# Altium PCB EVB-ANNA-B5x1_Certifi.PcbDoc (part 2 of 6) (continued)
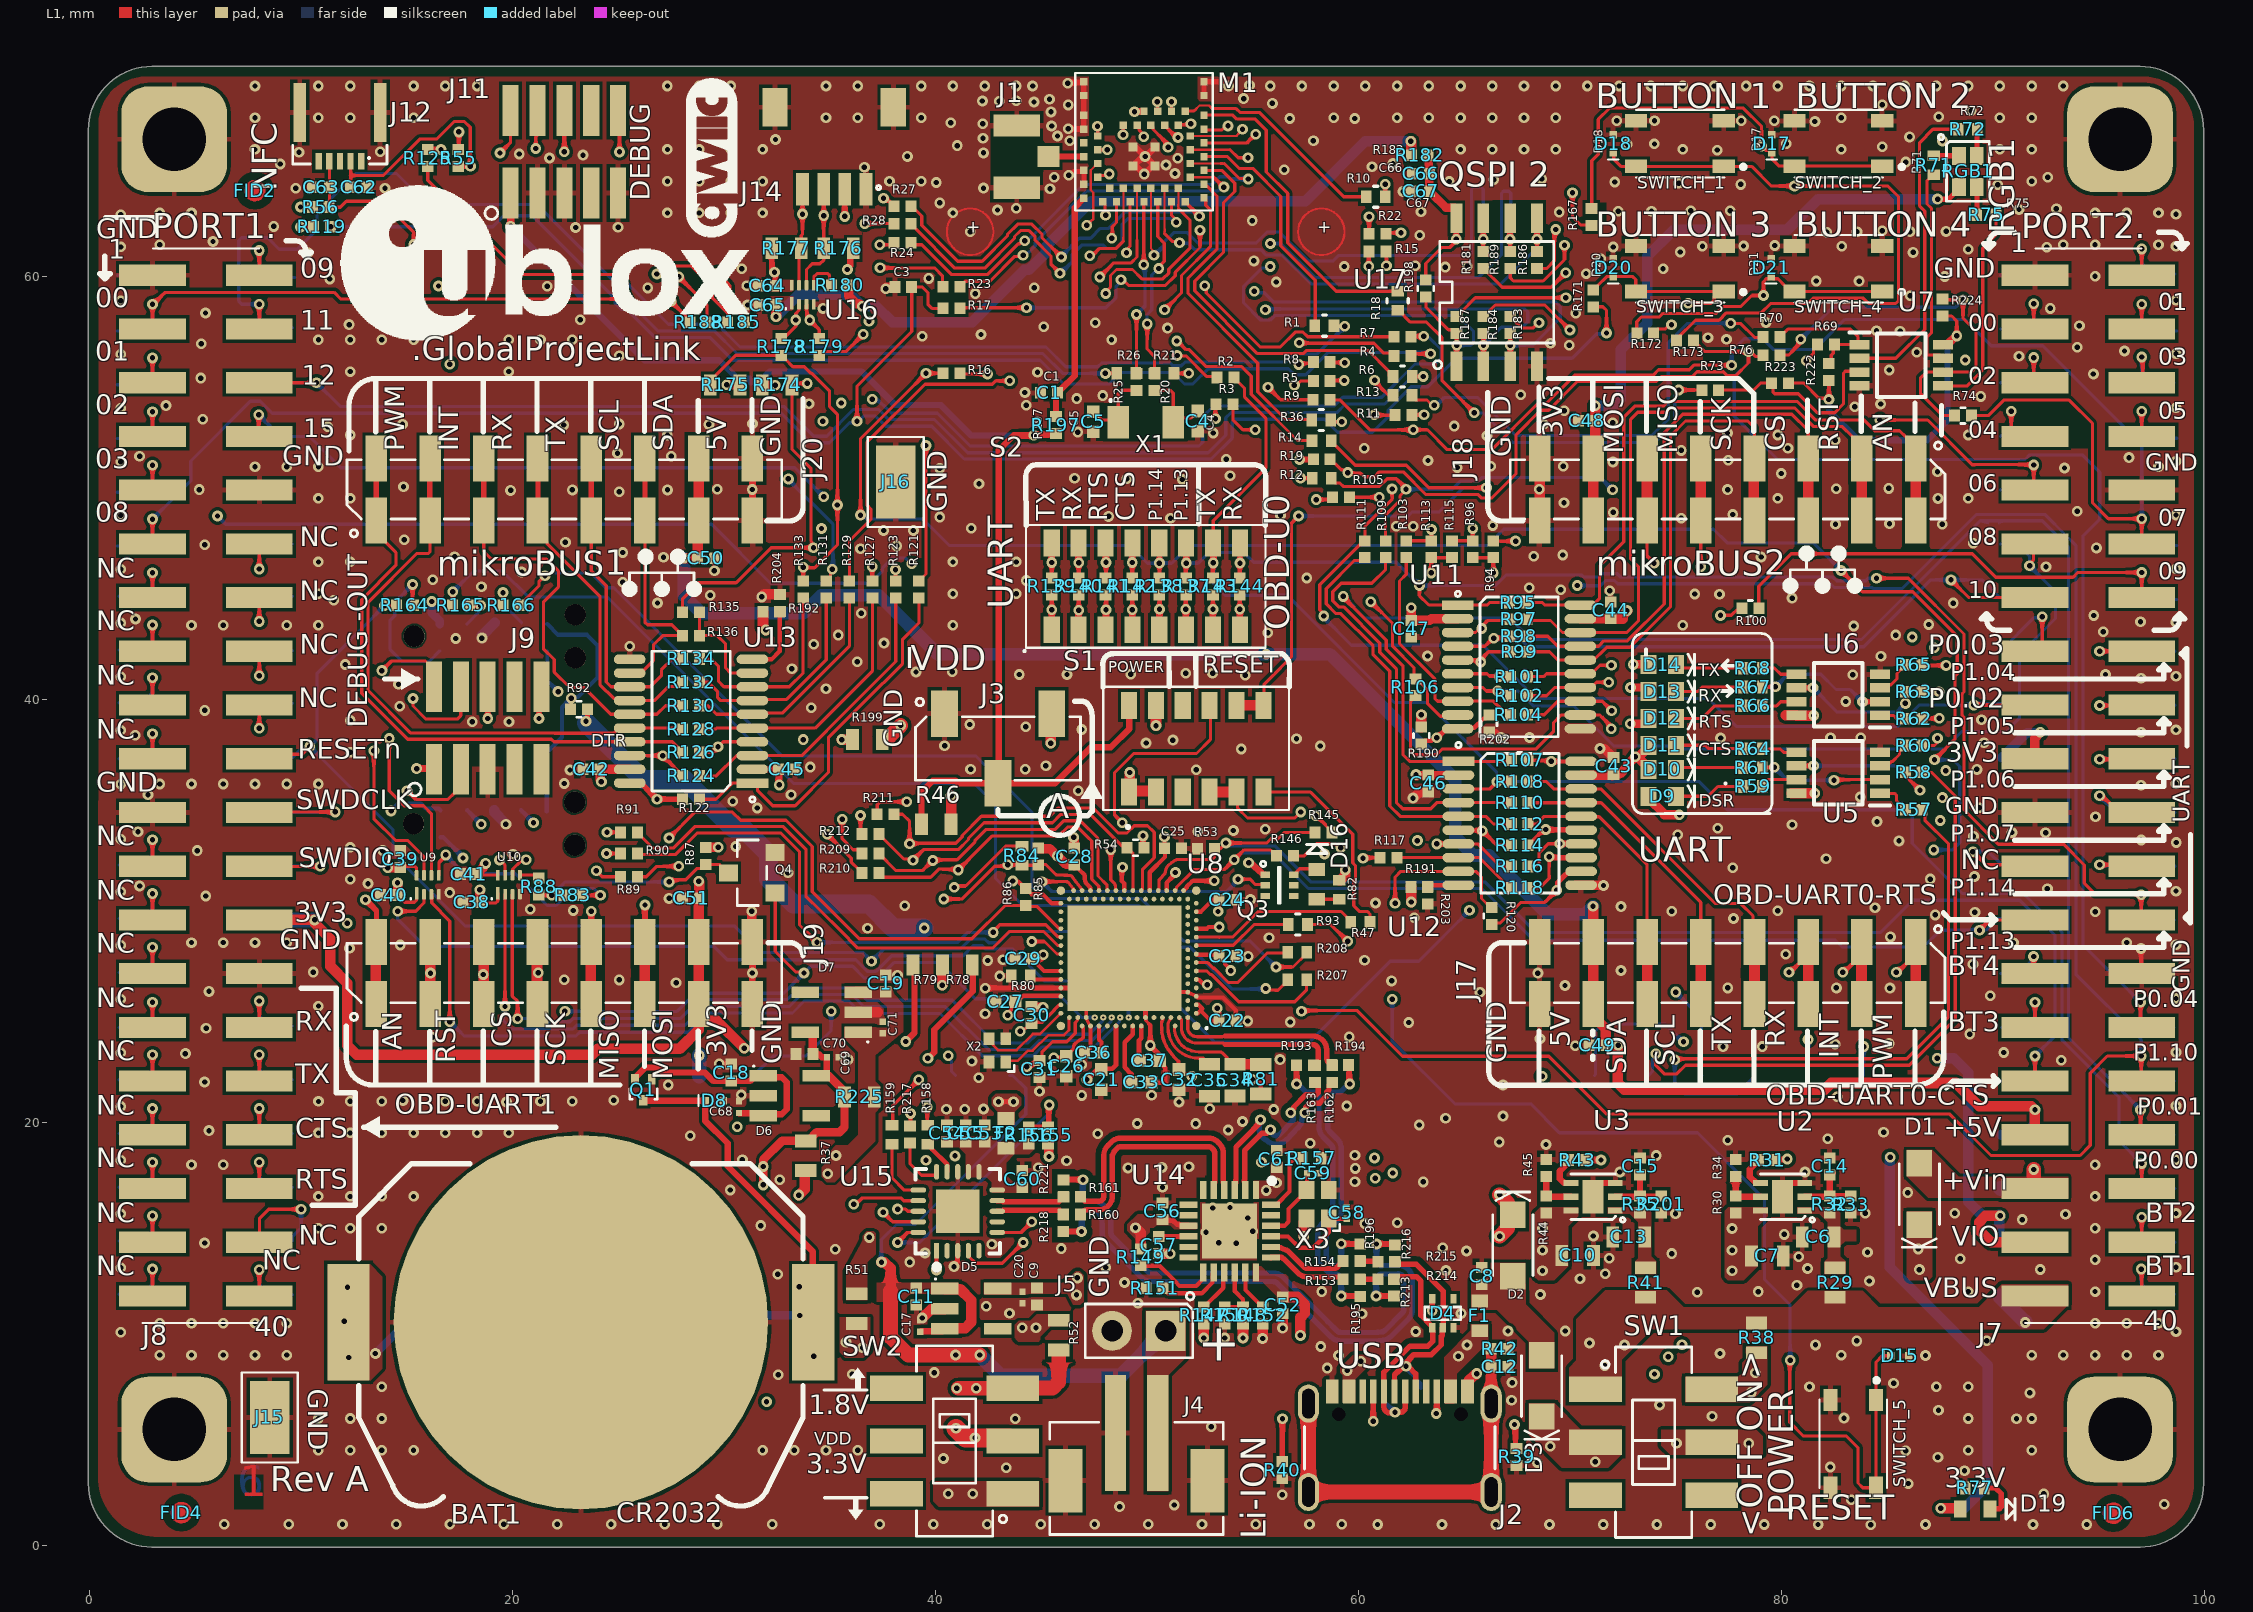
[diagram p0: L1 view]
## Footprints (in the part's own frame and the unit in brackets; to place one, negate y for a bottom-side part, rotate by r counter-clockwise, add the part's x,y. Pads: shape width x height; smd on the part's side, far side on the other; paste and mask are expansions set on the pad) (continued)
  silkscreen extent -3.02,-3.3 1.85,3.58, body extent -3.2,-3.3 3.2,3.3, height 1.2
U.FL_3Pin [mm] "U.FL Coax Jack, 50 ohm, 3 Pins, 3mm x 3.1mm"
  rect 1x1.05 smd: 1(0,-1.5)
  rect 1.05x2.2 smd: 2(-1.475,0) 2(1.475,0)
  body extent -1.5,-1.55 1.5,1.55, height 1.24
USB4105-GF-A [mm] "USB-C (USB TYPE-C) USB 2.0 Receptacle Connector 24 (16+8 Dummy) Position Surface Mount, Right Angle; Through Hole"
  rrect10% 0.6x1.15 smd paste+0 mask+0.05: A1B12(-3.2,4.755) A4B9(-2.4,4.755) B1A12(3.2,4.755) B4A9(2.4,4.755)
  rrect10% 0.3x1.15 smd paste+0 mask+0.05: A5(-1.25,4.755) A6(-0.25,4.755) A7(0.25,4.755) A8(1.25,4.755) B5(1.75,4.755) B6(0.75,4.755) B7(-0.75,4.755) B8(-1.75,4.755)
  round 0 hole 0.65 unplated: MH1(-2.89,3.68) MH2(2.89,3.68)
  oval 1x1.8 hole 0.6 slot 1.4 at 90 deg paste-2539.97 mask+0.05: SHLD(-4.32,0) SHLD(-4.32,4.18) SHLD(4.32,0) SHLD(4.32,4.18)
  silkscreen extent -4.5,1.1 4.5,3.1, body extent -4.47,-2.6 4.47,5.1, height 3.27
XTAL_1612 [mm] "Crystal, 4 lead, 1.6mm x 1.2mm"
  rect 0.6x0.5 smd: 1(-0.55,-0.4) 2(0.55,-0.4) 3(0.55,0.4) 4(-0.55,0.4)
  silkscreen extent -1,-0.8 -0.7,-0.5, body extent -0.8,-0.6 0.8,0.6, height 0.45
XTAL_2016_HD [mm] "Crystal, 4 lead, 2.0mm x 1.6mm, High Density"
  rect 0.85x0.75 smd: 1(-0.675,-0.525) 2(0.675,-0.525) 3(0.675,0.525) 4(-0.675,0.525)
  silkscreen extent -1.25,-1.05 -0.95,-0.75, body extent -1,-0.8 1,0.8, height 0.7
XTAL_3215 [mm] "XTAL, 2-Leads, Body 1.50x3.20mm"
  rect 1x1.55 smd: 1(-1.3,0) 2(1.3,0)
  silkscreen extent -1.7,0.98 -1.6,1.07, body extent -1.65,-0.8 1.65,0.8, height 0.9

## Part data
BAT1: "BATTERY HOLDER COIN SMT CR2020 CR2025 CR2032 KEYSTONE 3034", Manufacturer="Keystone Electronics Corporation", Manufacturer P/N=3034, Max Operating Temp=125°C, Min Operating Temp=-55°C, Editor=eric.moog, Env=ROHS, Mfg P/N Datasheet=https://wiki.u-blox.com/bin/view/Generic/Docs/DocumentSummary?index=38835, Mfg P/N Released=No, Mfg P/N Split=100, Mfg P/N Status=Active, Part Number=UBXH03-0000009, Part Type=Battery, Perferred=PREF, Permitted Use="Support Products", RefDes=BT, UBX Wiki=https://wiki.u-blox.com/bin/view/Operations/PartDetails?index=38836
C1 C53 C67: "CAP CER X5R 0402 4U7 20% 10V", Manufacturer="Murata Manufacturing Company, Ltd.", Manufacturer P/N=GRM155R61A475MEAA, Max Operating Temp=85°C, Max Voltage=10V, Min Operating Temp=-40°C, Tolerance=20%, Editor=martin.pilik, Env=GREEN, Mfg P/N Datasheet=https://wiki.u-blox.com/bin/view/Generic/Docs/DocumentSummary?index=24302, Mfg P/N Released=Yes, Mfg P/N Split=100, Mfg P/N Status=Active, Part Number=UBXH01-0000243, Part Type=Capacitor, Perferred=PREF, Permitted Use="Volume Products", RefDes=C, Release Data="2021-05-10 12:57:47.325652", Released by=fabrice.bret-dibat, Size=0402, UBX Wiki=https://wiki.u-blox.com/bin/view/Operations/PartDetails?index=24303
C3 C22 C23 C24 C25 C28 C29 C30 C31 C36: "CAP CER X5R 0402 100N 10% 10V", Manufacturer="Murata Manufacturing Company, Ltd.", Manufacturer 2="Samsung Electro-Mechanics", Manufacturer P/N=GRM155R61A104KA01, Manufacturer P/N 2=CL05A104KP5NNN, Max Voltage=10V, Tolerance=10%, Editor=roland.rust, Env=GREEN, Mfg P/N Datasheet 2=https://wiki.u-blox.com/bin/view/Generic/Docs/DocumentSummary?index=28113, Mfg P/N Released=Yes, Mfg P/N Released 2=Yes, Mfg P/N Split=100, Mfg P/N Split 2=0, Mfg P/N Status=NRND, Mfg P/N Status 2=Active, Part Number=UBXH01-2021002, Part Type=Capacitor, Perferred=PREF, Permitted Use="Volume Products", RefDes=C, Release Data=2005-07-22T13:59:44, Released by=roland.rust, Size=0402, UBX Wiki=https://wiki.u-blox.com/bin/view/Operations/PartDetails?index=5759
C4 C5: "CAP CER C0G 0402 18P 5% 25V", Manufacturer="Murata Manufacturing Company, Ltd.", Manufacturer P/N=GRM1555C1H180JA01, Manufacturer P/N 2=GRM1555C1E180JZ01, Manufacturer P/N 3=GRM1555C1H180JZ01, Max Operating Temp=125°C, Max Voltage=25V, Min Operating Temp=-55°C, Tolerance=5%, Editor=doris.zahnd, Env=ROHS, Manufacturer 2="Murata Manufacturing Company, Ltd.", Manufacturer 3="Murata Manufacturing Company, Ltd.", Mfg P/N Released=Yes, Mfg P/N Released 2=Yes, Mfg P/N Released 3=Yes, Mfg P/N Split=100, Mfg P/N Split 2=0, Mfg P/N Split 3=0, Mfg P/N Status=NRND, Mfg P/N Status 2=Obsolete, Mfg P/N Status 3=Obsolete, Part Number=UBXH01-0004017, Part Type=Capacitor, Perferred=PREF, Permitted Use="Volume Products", RefDes=C, Release Data=2009-12-03T17:48:42, Released by=daniel.hurni, Size=0402, UBX Wiki=https://wiki.u-blox.com/bin/view/Operations/PartDetails?index=5178
C6 C7: "CAP CER X7R 0603 10U 20% 10V", Manufacturer="Murata Manufacturing Company, Ltd.", Manufacturer P/N=GRM188Z71A106MA73, Manufacturer P/N 2=GRM188Z71A106KA73, Max Operating Temp=125°C, Max Voltage=10V, Min Operating Temp=-55°C, Tolerance=20%, Editor=michael.hein, Env=ROHS, Manufacturer 2="Murata Manufacturing Company, Ltd.", Mfg P/N Datasheet=https://wiki.u-blox.com/bin/view/Generic/Docs/DocumentSummary?index=26282, Mfg P/N Datasheet 2=https://wiki.u-blox.com/bin/view/Generic/Docs/DocumentSummary?index=28416, Mfg P/N Released=Yes, Mfg P/N Released 2=Yes, Mfg P/N Split=100, Mfg P/N Split 2=0, Mfg P/N Status=Active, Mfg P/N Status 2=Active, Part Number=UBXH01-0000310, Part Type=Capacitor, Perferred=PREF, Permitted Use="Volume Products", RefDes=C, Release Data=2017-02-09T11:14:05, Released by=martin.grasse, Size=0603, UBX Wiki=https://wiki.u-blox.com/bin/view/Operations/PartDetails?index=26280
C8 C12 C38 C39 C40 C41 C42 C43 C44 C45 C46 C47 C48 C49 C50 C51 C52 C54 C55 C60 C61 C64 C65 C66: "Cap, Ceramic 0.1uF 10V 10% X5R 0402", Manufacturer="Murata Electronics North America", Manufacturer 2=Yageo, Manufacturer P/N=GRM155R61A104KA01J, Manufacturer P/N 2=CC0402KRX5R6BB104, Part Name="CAP CER 0.1UF 10V 10% X5R 0402", Supplier Part Number 1=490-6297-1-ND, Temperature Coefficient=X5R, Tolerance="+/- 10%", Voltage=10V, Arena Link=https://app.bom.com/a/GYHPV2L2L43KRMBK?v=spec.summary, Component Mounting Type=SMT, Height=0.55mm, Item_Phase=Production, Part Number=120-00016, Part_Type="Ceramic Capacitor", Pins=2, Revision=0A, Size=0402, Supplier 1=Digi-Key, Supplier 2=Digi-Key, Supplier Part Number 2=311-1336-1-ND, Use in new designs=Yes
C9 C11 C18 C56 C57 C70: "CAP CER X5R 0402 1U 10% 10V", Manufacturer="Murata Manufacturing Company, Ltd.", Manufacturer 2="TDK Corporation", Manufacturer 3="Samsung Electro-Mechanics", Manufacturer P/N=GRM155R61C105KA12, Manufacturer P/N 2=C1005X5R1E105K050BC, Manufacturer P/N 3=CL05A105KA5NQNC, Max Operating Temp=85°C, Max Voltage=10V, Min Operating Temp=-40°C, Tolerance=10%, Editor=michael.hein, Env=ROHS, Mfg P/N Datasheet=https://wiki.u-blox.com/bin/view/Generic/Docs/DocumentSummary?index=29581, Mfg P/N Datasheet 2=https://wiki.u-blox.com/bin/view/Generic/Docs/DocumentSummary?index=28058, Mfg P/N Datasheet 3=https://wiki.u-blox.com/bin/view/Generic/Docs/DocumentSummary?index=28056, Mfg P/N Released=Yes, Mfg P/N Released 2=Yes, Mfg P/N Released 3=Yes, Mfg P/N Split=100, Mfg P/N Split 2=0, Mfg P/N Split 3=0, Mfg P/N Status=Active, Mfg P/N Status 2=Active, Mfg P/N Status 3=Active, Part Number=UBXH01-0000248, Part Type=Capacitor, Perferred=PREF, Permitted Use="Volume Products", RefDes=C, Release Data=2016-03-16T11:26:35, Released by=igor.shevchenko, Size=0402, UBX Wiki=https://wiki.u-blox.com/bin/view/Operations/PartDetails?index=24378
C10 C13: "CAP CER X7R 0603 10U 20% 10V", Case/Package=0x0y, Manufacturer="Murata Manufacturing Company, Ltd.", Manufacturer P/N=GRM188Z71A106MA73, Manufacturer P/N 2=GRM188Z71A106KA73, Max Operating Temp=125°C, Max Voltage=10V, Min Operating Temp=-55°C, Tolerance=20%, Editor=michael.hein, Env=ROHS, Manufacturer 2="Murata Manufacturing Company, Ltd.", Mfg P/N Datasheet=https://wiki.u-blox.com/bin/view/Generic/Docs/DocumentSummary?index=26282, Mfg P/N Datasheet 2=https://wiki.u-blox.com/bin/view/Generic/Docs/DocumentSummary?index=28416, Mfg P/N Released=Yes, Mfg P/N Released 2=Yes, Mfg P/N Split=100, Mfg P/N Split 2=0, Mfg P/N Status=Active, Mfg P/N Status 2=Active, Part Number=UBXH01-0000310, Part Type=Capacitor, Perferred=PREF, Permitted Use="Volume Products", RefDes=C, Release Data=2017-02-09T11:14:05, Released by=martin.grasse, Size=0603, UBX Wiki=https://wiki.u-blox.com/bin/view/Operations/PartDetails?index=26280
C14 C15: "CAP CER X7R 0402 1N0 10% 50V", Case/Package=0x0y, Manufacturer="Murata Manufacturing Company, Ltd.", Manufacturer P/N=GRM155R71H102KA01, Max Voltage=50V, Tolerance=10%, Editor=massimo.vlacci, Env=ROHS, Mfg P/N Datasheet=https://wiki.u-blox.com/bin/view/Generic/Docs/DocumentSummary?index=22572, Mfg P/N Released=Yes, Mfg P/N Split=100, Mfg P/N Status=NRND, Part Number=UBXH01-0000013, Part Type=Capacitor, Perferred=PREF, Permitted Use="Volume Products", RefDes=C, Release Data=2015-04-23T14:26:43, Released by=dario.antonaz, Size=0402, UBX Wiki=https://wiki.u-blox.com/bin/view/Operations/PartDetails?index=8466
C17 C20 C68 C69 C71: library part UBXCMP-CAP-00178-4, Case/Package=0201, Max Operating Temperature=85°C, Maximum Voltage=25V, Min Operating Temperature=-40°C, Part Number=UBXH01-0000241, Temperature Coefficient=X5R, Tolerance=10%, Automotive=No, Component Mounting Type=SMT, Critical Part=No, Environmental Grade=RoHS, JEDEC Type=S0201_C, Owner="Dario Antonaz (null)", Pack Type=DEFAULT, Part=CAP, Part Status=Preferred, PLM Lifecycle Phase="Full Production", PLM Revision=A, Use in new designs=Yes, Volume Use=Yes
C19: "CAP CER X5R 0402 1U 10% 10V", Case/Package=0x0y, Manufacturer="Murata Manufacturing Company, Ltd.", Manufacturer 2="TDK Corporation", Manufacturer 3="Samsung Electro-Mechanics", Manufacturer P/N=GRM155R61C105KA12, Manufacturer P/N 2=C1005X5R1E105K050BC, Manufacturer P/N 3=CL05A105KA5NQNC, Max Operating Temp=85°C, Max Voltage=10V, Min Operating Temp=-40°C, Tolerance=10%, Editor=michael.hein, Env=ROHS, Mfg P/N Datasheet=https://wiki.u-blox.com/bin/view/Generic/Docs/DocumentSummary?index=29581, Mfg P/N Datasheet 2=https://wiki.u-blox.com/bin/view/Generic/Docs/DocumentSummary?index=28058, Mfg P/N Datasheet 3=https://wiki.u-blox.com/bin/view/Generic/Docs/DocumentSummary?index=28056, Mfg P/N Released=Yes, Mfg P/N Released 2=Yes, Mfg P/N Released 3=Yes, Mfg P/N Split=100, Mfg P/N Split 2=0, Mfg P/N Split 3=0, Mfg P/N Status=Active, Mfg P/N Status 2=Active, Mfg P/N Status 3=Active, Part Number=UBXH01-0000248, Part Type=Capacitor, Perferred=PREF, Permitted Use="Volume Products", RefDes=C, Release Data=2016-03-16T11:26:35, Released by=igor.shevchenko, Size=0402, UBX Wiki=https://wiki.u-blox.com/bin/view/Operations/PartDetails?index=24378
C21 C26 C32 C33 C37: "CAP CER X5R 0402 1U0 10% 6.3V", Manufacturer="Murata Manufacturing Company, Ltd.", Manufacturer 2="Samsung Electro-Mechanics", Manufacturer 3="Taiyo Yuden Company, Ltd.", Manufacturer P/N=GRM155R61C105KA12, Manufacturer P/N 2=CL05A105KA5NNN, Manufacturer P/N 3=JMK105BJ105KV-F, Max Voltage=6.3V, Tolerance=10%, Editor=philippe.largier, Env=GREEN, Mfg P/N Datasheet=https://wiki.u-blox.com/bin/view/Generic/Docs/DocumentSummary?index=29581, Mfg P/N Datasheet 2=https://wiki.u-blox.com/bin/view/Generic/Docs/DocumentSummary?index=28197, Mfg P/N Datasheet 3=https://wiki.u-blox.com/bin/view/Generic/Docs/DocumentSummary?index=20234, Mfg P/N Released=Yes, Mfg P/N Released 2=Yes, Mfg P/N Released 3=Yes, Mfg P/N Split=100, Mfg P/N Split 2=0, Mfg P/N Split 3=0, Mfg P/N Status=Active, Mfg P/N Status 2=Active, Mfg P/N Status 3=NRND, Part Number=UBXH01-2021003, Part Type=Capacitor, Perferred=PREF, Permitted Use="Volume Products", RefDes=C, Release Data=2016-02-02T16:25:07, Released by=alvaro.nussbaum, Size=0402, UBX Wiki=https://wiki.u-blox.com/bin/view/Operations/PartDetails?index=5761
C27: "CAP CER X7R 0402 2N2 10% 16V", Manufacturer="Murata Manufacturing Company, Ltd.", Manufacturer P/N=GRM155R71C222KA01, Max Voltage=16V, Tolerance=10%, Editor=roland.rust, Env=ROHS, Mfg P/N Released=Yes, Mfg P/N Split=100, Mfg P/N Status=NRND, Part Number=UBXH01-0023017, Part Type=Capacitor, Perferred=PREF, Permitted Use="Volume Products", RefDes=C, Release Data=2005-07-22T13:59:44, Released by=roland.rust, Size=0402, UBX Wiki=https://wiki.u-blox.com/bin/view/Operations/PartDetails?index=5475
C34 C35: "CAP CER X5R 0603 4U7 10% 6.3V", Manufacturer="Murata Manufacturing Company, Ltd.", Manufacturer 3="Samsung Electro-Mechanics", Manufacturer P/N=GRM188R61C475KE11, Manufacturer P/N 2=GRM188R61E475KE11, Manufacturer P/N 3=CL10A475KO8NNN, Max Voltage=6.3V, Tolerance=10%, Editor=philippe.largier, Env=GREEN, Manufacturer 2="Murata Manufacturing Company, Ltd.", Mfg P/N Datasheet=https://wiki.u-blox.com/bin/view/Generic/Docs/DocumentSummary?index=30154, Mfg P/N Datasheet 2=https://wiki.u-blox.com/bin/view/Generic/Docs/DocumentSummary?index=30500, Mfg P/N Datasheet 3=https://wiki.u-blox.com/bin/view/Generic/Docs/DocumentSummary?index=28177, Mfg P/N Released=Yes, Mfg P/N Released 2=Yes, Mfg P/N Released 3=Yes, Mfg P/N Split=100, Mfg P/N Split 2=0, Mfg P/N Split 3=0, Mfg P/N Status=Active, Mfg P/N Status 2=Active, Mfg P/N Status 3=NRND, Part Number=UBXH01-2002003, Part Type=Capacitor, Perferred=PREF, Permitted Use="Volume Products", RefDes=C, Release Data=2016-02-02T16:39:45, Released by=roland.rust, Size=0603, UBX Wiki=https://wiki.u-blox.com/bin/view/Operations/PartDetails?index=5742
C58 C59: "CAP CER C0G 0201 8P2 +/-0.5P 25V", Manufacturer="Murata Manufacturing Company, Ltd.", Manufacturer P/N=GRM0335C1E8R2DA01, Manufacturer P/N 2=GRM0335C1E8R2D, Max Voltage=25V, Tolerance=+/-0.5P, Editor=roland.rust, Env=ROHS, Manufacturer 2="Murata Manufacturing Company, Ltd.", Mfg P/N Released=Yes, Mfg P/N Released 2=Obsolete, Mfg P/N Split=100, Mfg P/N Split 2=0, Mfg P/N Status=Active, Mfg P/N Status 2=Active, Part Number=UBXH01-0013002, Part Type=Capacitor, Perferred=PREF, Permitted Use="Volume Products", RefDes=C, Release Data=2009-03-23T10:34:14, Released by=roland.rust, Size=0201, UBX Wiki=https://wiki.u-blox.com/bin/view/Operations/PartDetails?index=5090
C62 C63: "CAP CER C0G 0402 300P 50V", Manufacturer="Murata Manufacturing Company, Ltd.", Manufacturer P/N=GRM1555C1H301JA01D, Max Operating Temp=125°C, Max Voltage=50V, Min Operating Temp=-55°C, Editor=eric.moog, Env=ROHS, Mfg P/N Released=No, Mfg P/N Split=100, Mfg P/N Status=Active, Part Number=UBXH01-0000594, Part Type=Capacitor, Perferred=PREF, Permitted Use="Volume Products", RefDes=C, Size=0402, UBX Wiki=https://wiki.u-blox.com/bin/view/Operations/PartDetails?index=38856
D1 D2 D3: "Diode, Schottky, 20V 1A SOD-123F, 340mV Vf @ 1A / MBR120VLSFT3G", Current=1A, Manufacturer 1="ON Semiconductor", Manufacturer 2=None, Manufacturer Part Number 1=MBR120VLSFT3G, Max Operating Temp=125, MFG Package=SOD-123FL, Min Operating Temp=-65, Part Name="Diode Schottky 20V 1A SOD-123FL", Supplier Part Number 1=MBR120VLSFT3GOSCT-ND, Voltage=20V, Body Size=None, Height=0.98mm, Item Phase="In Production", Manufacturer Part Number 2=None, Part Number=110-00005, Pins=2, Revision=0B, Supplier 1=Digi-Key, Supplier 2=None, Supplier Part Number 2=None, UBX Code=None, Use in new designs=Yes
D4: "LOW-CAPACITANCE 3-CHANNEL ESD-PROTECTION ARRAY", Manufacturer="Texas Instruments", Manufacturer P/N=TPD3E001DRLR, MFG Package=SOT-553, Package Type=SOT, Part Name="TVS Diode, 3CH High Speed ESD", Supplier Part Number 1=296-21885-1-ND, Voltage=5V, Arena Link=https://app.bom.com/a/UCV39GZGZIHX50AE?v=spec.summary, Body Size="1.6mm x 1.2mm", Component Mounting Type=SMT, Diode Type=TVS, Height=.55mm, Item_Phase=Production, Part Number=110-00018, Part_Type=Diode, Pins=5, Revision=0A, Supplier 1=Digi-Key, Use in new designs=Yes
D5 D6 D7: "IDEAL DIODE OR CONTROLLER SOURCE SELECTOR SWITCH P-CHANNEL 1:1 SOT-23-5 5.5V 1A", Current=1.0A, Manufacturer=Maxim, Manufacturer P/N=MAX40203AUK+T, Max Current=1A, Max Voltage=5.5V, MFG Package=SOT-23-5, Part Name="IC IDEAL DIODE LDO 1.2-5.5V 1.0A SOT-23-5", Supplier Part Number 1=175-MAX40203AUK+TTR-ND, Body Size="2.8mm x 2.9mm", Component Mounting Type=SMT, Editor=eric.moog, Env=ROHS, Height=1.25, HelpURL=https://datasheets.maximintegrated.com/en/ds/MAX40203.pdf, Item_Phase=Preliminary, Manufacturer 1=Maxim, Manufacturer Part Number 1=MAX40203AUK+T, Mfg P/N Datasheet=https://wiki.u-blox.com/bin/view/Generic/Docs/DocumentSummary?index=38598, Mfg P/N Released=No, Mfg P/N Split=100, Mfg P/N Status=Active, Package Type=SOT-23-5, Part Number=UBXH12-0000539, Part Type=PMIC, Part_Type="Ideal Diode", Perferred=N/A, Permitted Use="Support Products", Pins=5, RefDes=U, SMT Pitch=0.95mm, Supplier 1=Digi-Key, UBX Wiki=https://wiki.u-blox.com/bin/view/Operations/PartDetails?index=38597, Use in new designs=Yes, Voltage=5.5V
D8: "ESD PROTECTION DIODE ULTRA LOW LEAKAGE SOD923 ON SEMI 3V3", Manufacturer="ON Semiconductor", Manufacturer P/N=ESD9R3.3ST5G, Editor=pierpaolo.arban, Env=ROHS, Mfg P/N Datasheet=https://wiki.u-blox.com/bin/view/Generic/Docs/DocumentSummary?index=22449, Mfg P/N Released=Yes, Mfg P/N Split=100, Mfg P/N Status=Active, Part Number=UBXH07-0000034, Part Type=Diode, Perferred=PREF, Permitted Use="Support Products", RefDes=D, Release Data=2015-04-23T14:51:11, Released by=dario.antonaz, UBX Wiki=https://wiki.u-blox.com/bin/view/Operations/PartDetails?index=22447
D9 D11 D13: "DIODE LED SMT YELLOW CLEAR LENS 2.1V 10MA 0603 YELLOW", Manufacturer="Lite-on Technology Corporation", Manufacturer P/N=LTST-C190YKT, Max Operating Temp=85°C, Min Operating Temp=-55°C, Editor=eric.moog, Env=GREEN, Mfg P/N Datasheet=https://wiki.u-blox.com/bin/view/Generic/Docs/DocumentSummary?index=38122, Mfg P/N Released=No, Mfg P/N Split=100, Mfg P/N Status=Active, Part Number=UBXH11-0000057, Part Type=LED, Perferred=N/A, Permitted Use="Volume Products", RefDes=DS, Size=0603, UBX Wiki=https://wiki.u-blox.com/bin/view/Operations/PartDetails?index=38120
D10 D12 D14: "LED SMD 0603 GREEN 2.5V 20mA", Manufacturer=Kingbright, Manufacturer 2="Lite-on Technology Corporation", Manufacturer P/N=APT1608SGC, Manufacturer P/N 2=LTST-C190KGKT, Max Current=20mA, Max Voltage=2.5V, Editor=gianni.falleroni, Env=ROHS, Mfg P/N Datasheet=https://wiki.u-blox.com/bin/view/Generic/Docs/DocumentSummary?index=37527, Mfg P/N Datasheet 2=https://wiki.u-blox.com/bin/view/Generic/Docs/DocumentSummary?index=16220, Mfg P/N Released=Yes, Mfg P/N Released 2=Yes, Mfg P/N Split=50, Mfg P/N Split 2=50, Mfg P/N Status=Active, Mfg P/N Status 2=Active, Part Number=UBXH11-0000001, Part Type=LED, Perferred=N/A, Permitted Use="Support Products", RefDes=DS, Release Data=2022-09-27T14:26:54, Released by=alex.claville, Size=0603, UBX Wiki=https://wiki.u-blox.com/bin/view/Operations/PartDetails?index=7902
D15 D17 D18 D20 D21: "ESD9B3.3ST5G", Manufacturer="ON Semiconductor", MFG Package=SOD-923, Package Type=SOD, Part Name="Diode TVS 3.3V SOD-923", Supplier Part Number 1=ESD9B3.3ST5GOSCT-ND, Voltage=3.3V, Arena Link=https://app.bom.com/a/4M5DJQ9Q9SR7DV4H?v=spec.summary, Body Size="0.8mm x 0.6mm", Component Mounting Type=SMT, Diode Type=TVS, Height=0.4mm, Item_Phase=Preliminary, Manufacturer P/N=ESD9B3.3ST5G, Part Number=110-00019, Part_Type=Diode, Pins=2, Supplier 1=Digi-Key, Use in new designs=Yes
D16 D19: "LED CHIP 0603 LOW CURRENT OSRAM 0.002A GREEN 2.2V 2mA", Manufacturer=Osram, Manufacturer P/N="LG L29K-G2J1-24", Max Current=2mA, Max Operating Temp=85°C, Max Voltage=2.2V, Min Operating Temp=-40°C, Editor=johann.furrer, Env=ROHS, Mfg P/N Datasheet=https://wiki.u-blox.com/bin/view/Generic/Docs/DocumentSummary?index=20620, Mfg P/N Released=Yes, Mfg P/N Split=100, Mfg P/N Status=NRND, Part Number=UBXH11-0000018, Part Type=LED, Perferred=PREF, Permitted Use="Volume Products", RefDes=DS, Release Data=2018-01-09T15:31:38, Released by=martin.grasse, Size=0603, UBX Wiki=https://wiki.u-blox.com/bin/view/Operations/PartDetails?index=20619
F1 F2: "FERRITE BEAD 0603 600 OHM AT 100MHZ 600OHM 500mA", Manufacturer="TDK Corporation", Manufacturer P/N=MMZ1608B601C, Max Current=500mA, Max Operating Temp=125°C, Min Operating Temp=-40°C, Editor=daniel.hurni, Env=ROHS, Mfg P/N Datasheet=https://wiki.u-blox.com/bin/view/Generic/Docs/DocumentSummary?index=7941, Mfg P/N Released=Yes, Mfg P/N Split=100, Mfg P/N Status=Active, Part Number=UBXH08-0000001, Part Type=Ferrite, Perferred=PREF, Permitted Use="Support Products", RefDes=FB, Release Data=2009-12-02T10:18:36, Released by=martin.frauchiger, Size=0603, UBX Wiki=https://wiki.u-blox.com/bin/view/Operations/PartDetails?index=7960
FID1 FID2 FID3 FID4 FID5 FID6: library part FIDUCIAL.04, "Fiducial, 0.040\" inner Dia, 0.075\" outer Dia", Added By="Jeremy D", Added Date=2/1/2015, Checked By="Paul B", Checked Date=2/5/2015, DNP=DNP, Height=0, Part Number=FIDUCIAL.04, Size="0.040\""
J1: "U.FL jack, SMA 50 ohm, 3 pin, SMT", Manufacturer 1="Hirose Electric Co Ltd", Manufacturer 2="Dongguan Qintai Electronics Co, Ltd.", Manufacturer Part Number 1=U.FL-R-SMT(10), Manufacturer Part Number 2=MHF-RT-1, Max Operating Temp=90, Min Operating Temp=-40, Part Name="CON RF UMC U.FL Jack 3Pin SMT", Supplier Part Number 1=H9161CT-ND, Voltage=None, Diameter=None, Height=1.25mm, Item Phase="In Production", Part Number=130-00067, Pins=3, Revision=0A, Supplier 1=Digi-Key, Supplier 2="Rayson Technology co., ltd", Supplier Part Number 2=MHF-RT-1, UBX Code=UBXH04-0001026, Use in new designs=Yes
J2: "CONN RCP USB2.0 TYP C 24P SMD RA 20V 6.25A", Manufacturer=GCT, Manufacturer 2=None, Manufacturer P/N=USB4105-GF-A, Max Current=6.25A, Max Operating Temp=85°C, Max Voltage=20V, Min Operating Temp=-40°C, Voltage="<20V DC", Body Size="7.3mm x 8.9mm", Editor=eric.moog, Env=ROHS, Height=3.31mm, Item Phase=Unreleased, Manufacturer 1=GCT, Manufacturer Part Number 1=USB4105-GF-A, Manufacturer Part Number 2=None, Mfg P/N Datasheet=https://wiki.u-blox.com/bin/view/Generic/Docs/DocumentSummary?index=38208, Mfg P/N Released=No, Mfg P/N Split=100, Mfg P/N Status=Active, Part Number=UBXH04-0000785, Part Type=Connector, Perferred=PREF, Permitted Use="Support Products", Pins=8, RefDes=J, Revision=None, Size=Other, SMT Pitch=0.5mm, Supplier 2=None, Supplier Part Number 2=None, UBX Code=None, UBX Wiki=https://wiki.u-blox.com/bin/view/Operations/PartDetails?index=38207, Use in new designs=Yes
J3: "1-ROW SMD CONN 100MIL GRID 3 -PIN 100V 3A", Manufacturer=HARWiN, Manufacturer P/N=M20-8770342, Max Current=3A, Max Operating Temp=105°C, Max Voltage=100V, Min Operating Temp=-40°C, Editor=eric.moog, Env=ROHS, Mfg P/N Datasheet=https://wiki.u-blox.com/bin/view/Generic/Docs/DocumentSummary?index=28457, Mfg P/N Released=No, Mfg P/N Split=100, Mfg P/N Status=Active, Part Number=UBXH04-0000792, Part Type=Connector, Perferred=N/A, Permitted Use="Support Products", RefDes=J, UBX Wiki=https://wiki.u-blox.com/bin/view/Operations/PartDetails?index=38569
J4: "CONN 1-ROW SMT 2.0MM GRID 2-PIN VERT 100V 2A", Manufacturer=JST, Manufacturer 2=None, Manufacturer P/N=B2B-PH-SM4-TB, Max Current=2A, Max Operating Temp=85°C, Max Voltage=100V, Min Operating Temp=-30°C, Part Name="Conn, SMT, 0.079\" Pitch, 2 Pin, Vert, Black", Diameter=None, Editor=eric.moog, Env=ROHS, Height=6.5mm, Item Phase="In Production", Manufacturer Part Number 1=B2B-PH-SM4-TB, Manufacturer Part Number 2=None, Mfg P/N Datasheet=https://wiki.u-blox.com/bin/view/Generic/Docs/DocumentSummary?index=35463, Mfg P/N Released=No, Mfg P/N Split=100, Mfg P/N Status=Active, Part Number=UBXH04-0000791, Part Type=Connector, Perferred=N/A, Permitted Use="Support Products", Pins=2, RefDes=J, Revision=0A, Supplier 1=None, Supplier 2=None, Supplier Part Number 1=None, Supplier Part Number 2=None, UBX Code=None, UBX Wiki=https://wiki.u-blox.com/bin/view/Operations/PartDetails?index=38567, Use in new designs=Yes, Voltage=None
J5: "1-ROW TH-PCB SOCKETS 100MIL GRID 2-PIN 0.64MM SQUARE POLARIZE", Manufacturer=HARWiN, Manufacturer P/N=M20-9990245, Editor=roland.rust, Env=ROHS, Mfg P/N Released=Yes, Mfg P/N Split=100, Mfg P/N Status=Active, Part Number=UBXH04-0000026, Part Type=Connector, Perferred=PREF, Permitted Use="Internal Use", RefDes=J, Release Data=2015-06-04T16:45:09, Released by=alvaro.nussbaum, UBX Wiki=https://wiki.u-blox.com/bin/view/Operations/PartDetails?index=10937
J7 J8: library part M20-8762042, "Connector", Manufacturer_Name=Harwin, Mouser Part Number=855-M20-8762042, Datasheet Link=https://cdn.harwin.com/pdfs/M20-876.pdf, Height=10.01mm, Manufacturer_Part_Number=M20-8762042, Mouser Price/Stock=https://www.mouser.co.uk/ProductDetail/Harwin/M20-8762042?qs=vF78I%252BjhbY%2F5WnwPzhFszw%3D%3D
J9 J11: "Header 0.05\" 10Pin 2Row SMD Black", Color=Black, Manufacturer=Samtec, Manufacturer P/N=FTSH-105-01-F-DV-K, Part Name="CON HDR 0.05\" 10Pin 2Row SMD Black", Supplier Part Number 1=SAM8796-ND, Arena Link=https://app.bom.com/a/5N6EKRARATS7TSHL?v=spec.summary, Component Mounting Type=SMT, Connector Type=Header, Height=6mm, Item_Phase=Pre-Production, Keyed=Yes, Length=12.75mm, Locking=No, Part Number=130-00099, Part_Type=Connector, Pin Pitch="0.050\"", Pins=10, Revision=1, Rows=2, Supplier 1=Digi-Key, Use in new designs=Yes, Width=4.78
J10 J13: "CON PADS FOR CBL PLUG-OF-NAILS 10-PIN NO LEGS", Manufacturer="TAG Connect", Added By="Paul B", Added Date=12/3/2015, DNP=DNP, Height=0, Manufacturer P/N=TC2050-IDC-NL, Part Number=TC2050-IDC-NL, Size="6.1mm x 9.9mm"
J12: "0.50MM PITCH SMD RA FFC FPC CONN 5 -PIN 50V 400mA", Color=White, Manufacturer=AVX, Manufacturer 1="KYOCERA AVX", Manufacturer P/N=046284005001846, Max Current=400mA, Max Operating Temp=85°C, Max Voltage=50V, Min Operating Temp=-40°C, Part Name="CON FFC/FPC 0.50mm 5Pos R/A", Component Mounting Type=SMT, Connector Type=FPC, Editor=eric.moog, Env=ROHS, Height=1.3mm, Item_Phase=Preliminary, Keyed=No, Length=4.05mm, Locking=No, Manufacturer Part Number 1=046284005001846, Mfg P/N Datasheet=https://wiki.u-blox.com/bin/view/Generic/Docs/DocumentSummary?index=38862, Mfg P/N Released=No, Mfg P/N Split=100, Mfg P/N Status=Active, Part Number=UBXH04-0000798, Part Type=Connector, Part_Type=Connector, Perferred=PREF, Permitted Use="Support Products", Pin Pitch=0.5mm, Pins=5, RefDes=J, Rows=1, UBX Wiki=https://wiki.u-blox.com/bin/view/Operations/PartDetails?index=38822, Use in new designs=Yes, Voltage=50V, Width=4.4mm
J14: "CONN JST SH SERIES SMT 4 POS MALE 1MM RA 50V 1A", Manufacturer=JST, Manufacturer 1="JST Sales America Inc.", Manufacturer 2=None, Manufacturer P/N=SM04B-SRSS-TB, Manufacturer Part Number 1=SM04B-SRSS-TB(LF)(SN), Max Current=1A, Max Operating Temp=85°C, Max Voltage=50V, Min Operating Temp=-30°C, Part Name="CONN HEADER SMD R/A 4POS 1MM", Diameter=None, Editor=eric.moog, Env=ROHS, Height=2.9mm, Item Phase="In Production", Manufacturer Part Number 2=None, Mfg P/N Datasheet=https://wiki.u-blox.com/bin/view/Generic/Docs/DocumentSummary?index=4533, Mfg P/N Released=No, Mfg P/N Split=100, Mfg P/N Status=Active, Part Number=UBXH04-0000797, Part Type=Connector, Perferred=PREF, Permitted Use="Support Products", Pins=4, RefDes=J, Revision=0A, Supplier 1=None, Supplier 2=None, Supplier Part Number 1=None, Supplier Part Number 2=None, UBX Code=None, UBX Wiki=https://wiki.u-blox.com/bin/view/Operations/PartDetails?index=38779, Use in new designs=Yes, Voltage=None
J15 J16: library part S1751-46R
J17 J18 J19 J20: "Socket Strip 0.1\" 8 Pin 1Row SMD Black", Manufacturer 1=Samtec, Manufacturer 2="Sullins Connector Solutions", Manufacturer Part Number 1=SSM-108-F-SV-P-TR, Manufacturer Part Number 2=NPPC081KFXC-RC, Max Operating Temp=105, Min Operating Temp=-55, Part Name="CON SKT Strip 0.1\" 8Pin 1Row SMD Black", Voltage=572VDC, Diameter=None, Height=7.37mm, Item Phase="In Production", Part Number=130-00102, Pins=8, Revision=0D, Supplier 1=Avnet, Supplier 2=Digi-Key, Supplier Part Number 1=SSM-108-F-SV-P-TR, Supplier Part Number 2=S5639-ND, UBX Code=None, Use in new designs=Yes
M1: "SHORT RANGE BLE AND IEEE802.15.4 SIP MODULE U-BLOX ANNA-B5", Manufacturer=u-blox, Manufacturer P/N=ANNA-B5, Max Operating Temp=85°C, Min Operating Temp=-40°C, RF Freq=2.4GHz, Automotive=No, ComponentLink1Description="Arena Link", ComponentLink1URL=https://app.bom.com/2K4NSGOQKM5DW9BJRRPB, Core=Cortex®-M33, Environmental Grade=RoHS, Flash Size="1524 KB", Internal Antenna=Yes, Mounting Type=SMT, Owner="Yaqin Chen", Part Description="SHORT RANGE BLE AND IEEE802.15.4 SIP U-BLOX ANNA-B5", Part Name="SHORT RANGE BLE AND IEEE802.15.4 SIP MODULE U-BLOX ANNA-B5", Part Number=UBXH29-0000036, Part Phase=Unreleased, Part Revision=1, Part Status=Preferred, Part Type="Wireless Module", RAM Size="256 KB", RF Protocol="BLE 6.0 and IEEE802.15.4-2020", Use in new designs=Yes, Volume Use=Yes